# KiCad board OLD_PCB.kicad_pcb (continued)
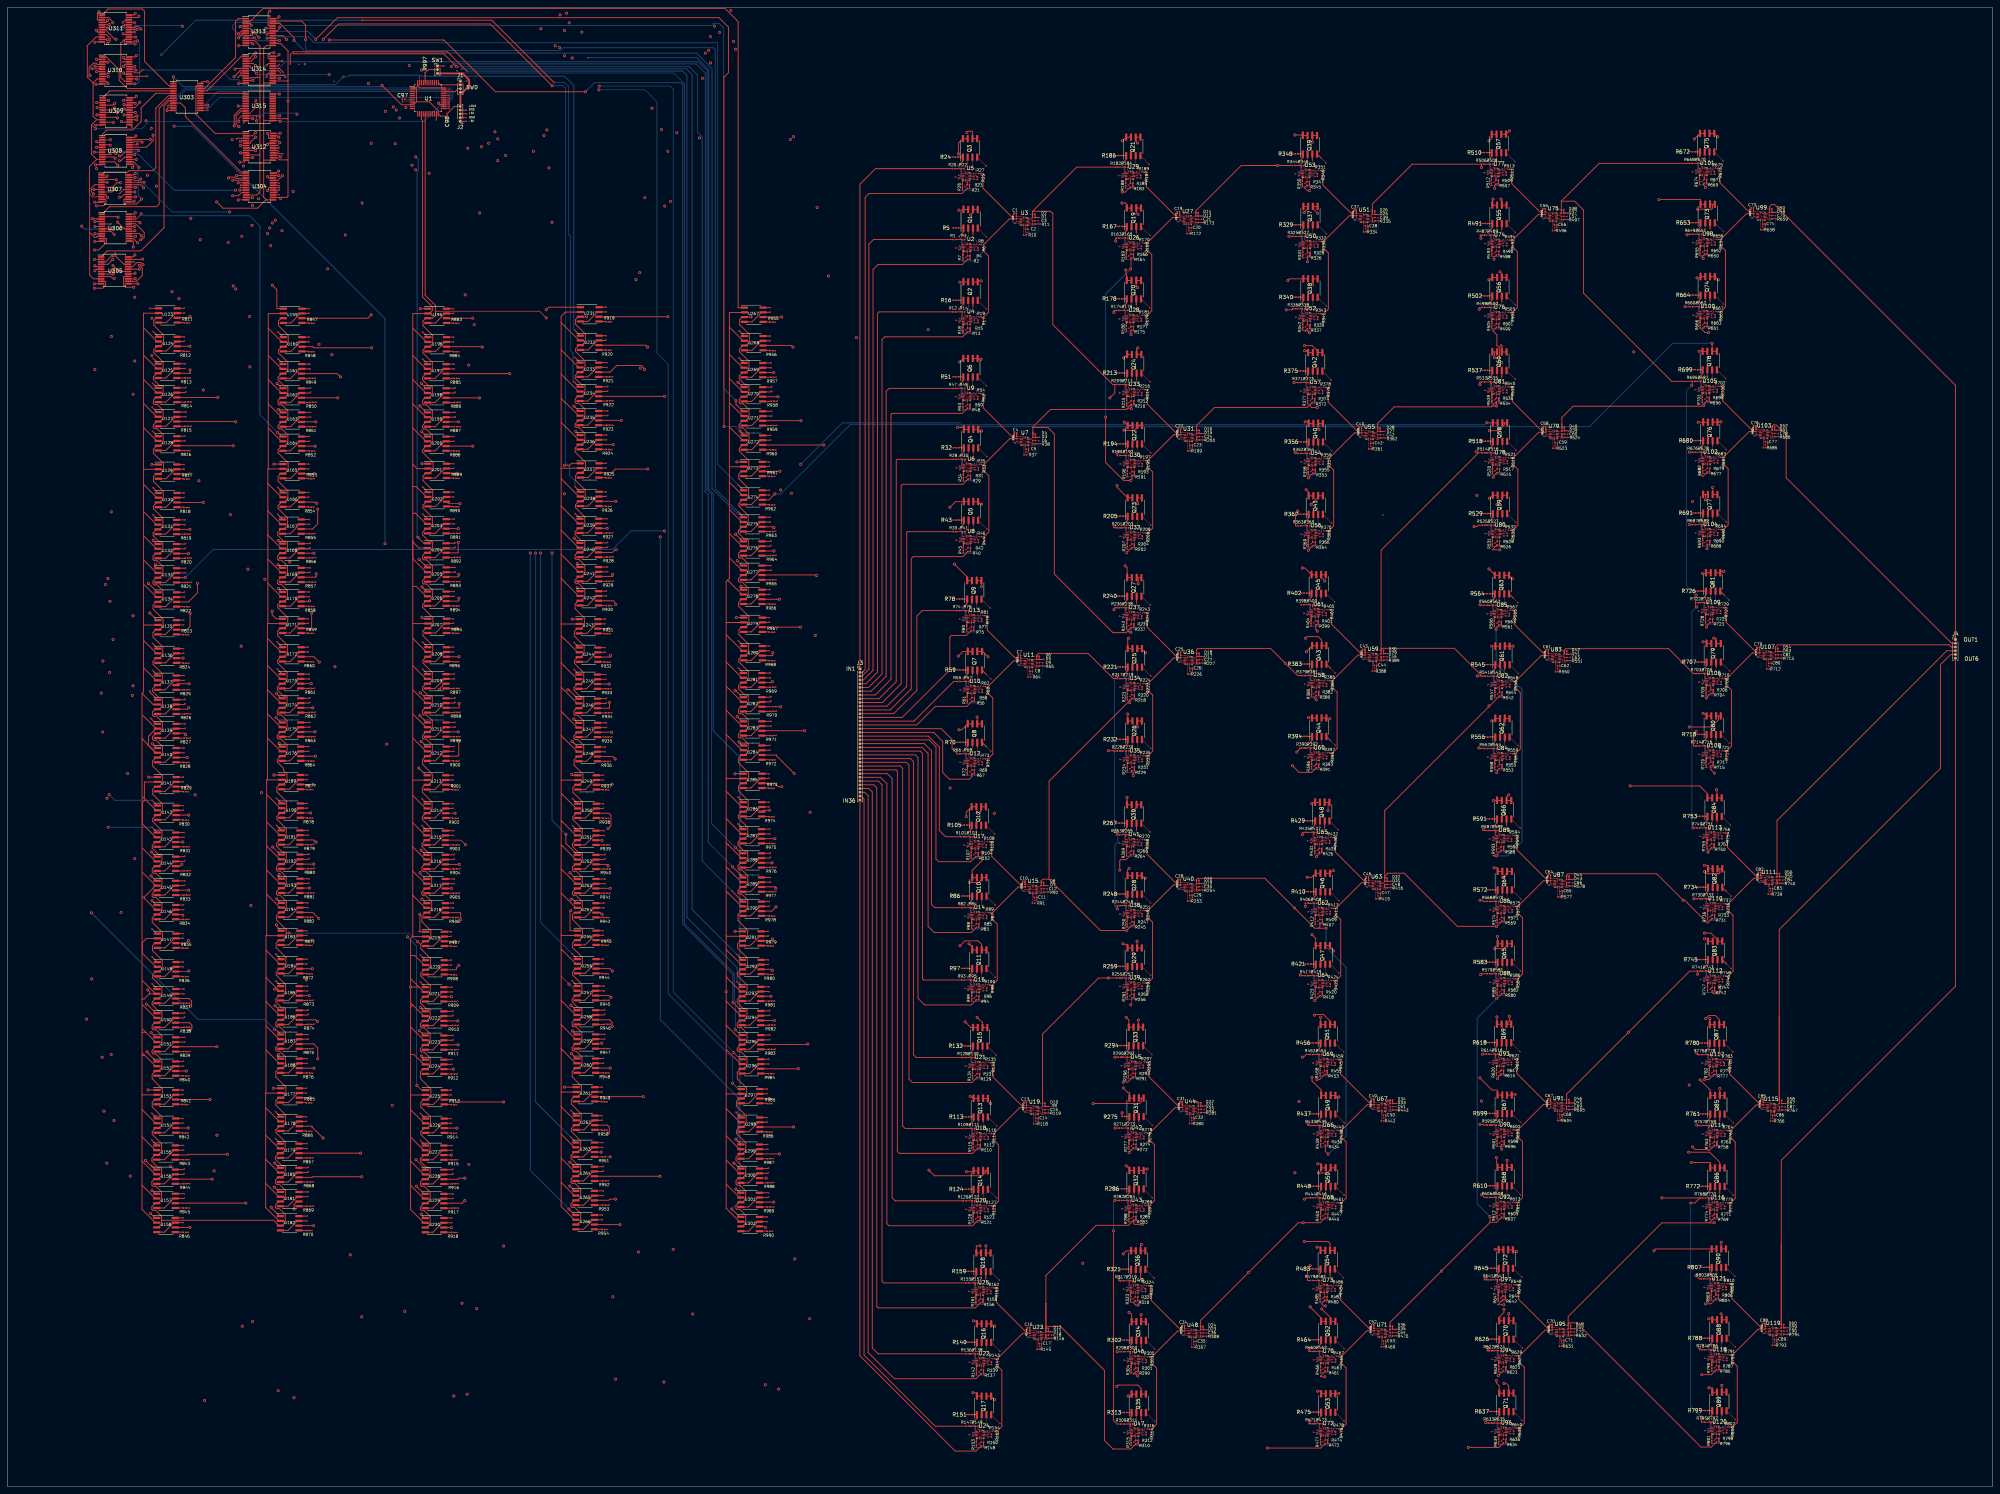
[diagram p0: board, top side]
## Routing (per net, layer and track width the routed paths; a pad name or vN(x,y) marks a point on that pad's centre or on a via; arc(x,y) is an arc through that point) (continued)
/VariableWeights/CS415: length 226.3
  Top w0.25: v2(151.25,288.55) 152.55,287.25 U235.1 ; 25.2,392.33 26.98,392.33 28.12,391.18 v2(28.12,390.92)
  In1.Cu w0.25: v2(28.12,390.92) 28.12,388.55 32.41,384.26 32.41,292.85 v2(33.56,291.7)
  In2.Cu w0.25: v2(33.56,291.7) 148.1,291.7 v2(151.25,288.55)
/VariableWeights/CS416: length 244.7
  Top w0.25: 152.88,280.81 152.67,280.81 v2(151.72,281.75) ; U311.3 24,391.68 24,393.42 v2(24.42,393.84)
  In1.Cu w0.25: v2(149.28,393.47) 149.28,390.62 149.47,390.43 149.47,383.87 148,382.4 148,381.8 148.84,380.96 148.84,284.64 v2(151.72,281.75)
  In2.Cu w0.25: v2(24.42,393.84) 24.75,394.17 60.39,394.17 61.26,393.3 70.33,393.3 70.78,393.75 149,393.75 v2(149.28,393.47)
/VariableWeights/CS421: length 242.5
  Top w0.25: U311.4 26.4,391.03 26.4,391.26 v2(26.7,391.56) ; v2(148.71,272.72) 150.06,272.72 150.61,273.26 U237.1
  In2.Cu w0.25: v2(142.42,389.3) 142.19,389.07 72.37,389.07 69.94,391.49 34.59,391.49 34.38,391.71 26.85,391.71 v2(26.7,391.56)
  In3.Cu w0.25: v2(148.71,272.72) 148.71,358.61 142.42,364.9 v2(142.42,389.3)
/VariableWeights/CS422: length 247.7
  Top w0.25: U311.5 27.11,390.38 v2(27.16,390.43) ; v2(84.3,386.49) 88.41,390.6 128.9,390.6 v2(145.4,374.1) ; U238.1 152.92,265.66 v1(151.53,267.06)
  In1.Cu w0.25: v2(84.3,386.49) 77.49,393.3 57.5,393.3 57.2,393.6 50.3,393.6 v2(46.7,390)
  Bottom w0.25: v1(151.53,267.06) 151.53,268.58 150.1,270 150.1,272.35 149,273.45 149,373.4 148.3,374.1 v2(145.4,374.1) ; v2(46.7,390) 46.5,390.2 34.1,390.2 33.9,390 33.9,389.5 33.63,389.24 28.35,389.24 v2(27.16,390.43)
/VariableWeights/CS423: length 254.8
  Top w0.25: v1(151.53,259.86) 152.85,258.53 U239.1 ; v2(26.74,389.47) 26.65,389.47 26.4,389.73 U311.6
  In2.Cu w0.25: v2(26.74,389.47) 26.74,387.7 33.8,380.64 72.48,380.64 73.12,381.29 150.55,381.29 v2(150.76,381.5)
  In3.Cu w0.25: v1(151.53,259.86) 150.79,260.59 150.79,287.87 150.52,288.14 150.52,381.25 v2(150.76,381.5)
/VariableWeights/CS424: length 260.1
  Top w0.25: v2(151.33,253.26) 152.57,252.01 U240.1 ; U311.7 26.11,389.08 28.68,386.51 v2(28.99,386.51)
  In1.Cu w0.25: v2(148.73,382.1) 152.45,378.38 152.45,254.38 v2(151.33,253.26)
  In2.Cu w0.25: v2(148.73,382.1) 73.3,382.1 72.29,381.09 34.41,381.09 v2(28.99,386.51)
/VariableWeights/CS425: length 277.5
  Top w0.25: v2(23.7,388.95) 24,388.65 24,388.43 U311.8 ; v2(152.14,246.47) 151.88,246.2 152.52,245.56 U241.1
  In2.Cu w0.25: v2(150.01,390.92) 72.84,390.92 71.81,391.94 34.78,391.94 34.39,392.33 26.43,392.33 23.7,389.61 v2(23.7,388.95)
  In3.Cu w0.25: v2(152.14,246.47) 150.34,248.27 150.34,287.68 150.06,287.95 150.06,380.19 150.01,380.25 v2(150.01,390.92)
/VariableWeights/CS426: length 277.1
  Top w0.25: U311.9 26.4,387.78 27.4,386.78 27.4,386.08 v2(26.66,385.33) ; v2(152.12,240.02) 151.93,239.83 152.65,239.11 U242.1
  In2.Cu w0.25: v2(26.82,242.5) 28.83,240.49 51.03,240.49 51.68,241.14 80.17,241.14 81.15,242.13 82.6,242.13 83.11,241.62 120.09,241.62 121.68,240.02 v2(152.12,240.02)
  In3.Cu w0.25: v2(26.82,242.5) 25.85,243.46 25.85,384.53 v2(26.66,385.33)
/VariableWeights/CS431: length 280.2
  Top w0.25: v2(35.08,392.67) 34.73,392.33 32.4,392.33 ; v2(150.78,231.66) U243.1
  In2.Cu w0.25: v2(147.54,393.01) 147.31,393.25 71.14,393.25 70.56,392.67 v2(35.08,392.67)
  In3.Cu w0.25: v2(147.54,393.01) 147.54,392.35 149.46,390.44 149.46,380.16 149.61,380 149.61,287.77 149.89,287.49 149.89,232.55 v2(150.78,231.66)
/VariableWeights/CS432: length 289.9
  Top w0.25: U244.1 152.62,224.06 v1(151.23,225.45) ; v3(30.8,391) 31.48,391.68 U311.22
  In4.Cu w0.25: v1(151.23,225.45) 151.23,228.77 149.2,230.8 149.45,231.05 149.45,389.15 147.01,391.6 146,391.6 144.3,393.3 36.8,393.3 35.15,391.65 31.45,391.65 v3(30.8,391)
/VariableWeights/CS433: length 292.1
  Top w0.25: U311.21 33.8,391.03 v2(33.9,390.92) ; v1(151.23,218.25) 152.56,216.93 U245.1
  In1.Cu w0.25: v2(148.73,388.85) 148.73,383.77 147.55,382.59 147.55,381.61 147.98,381.18 147.98,221.5 v1(151.23,218.25)
  In2.Cu w0.25: v2(148.73,388.85) 148.45,388.58 71.27,388.58 68.85,391 33.98,391 v2(33.9,390.92)
/VariableWeights/CS434: length 300.1
  Top w0.25: v2(149.58,212.78) 149.9,212.78 152.28,210.41 U246.1 ; U311.20 31.2,390.38 31.2,390.26 v2(30.9,389.96)
  In2.Cu w0.25: v2(149.58,212.78) 148.61,213.76 81.81,213.76 81.72,213.66 33.72,213.66 v2(33.53,213.86)
  In3.Cu w0.25: v2(30.9,389.96) 30.15,389.21 30.15,365.85 31.51,364.49 31.51,324.51 31.96,324.06 31.96,315.47 32.52,314.91 32.52,214.87 v2(33.53,213.86)
/VariableWeights/CS435: length 308
  Top w0.25: U311.19 34.09,389.73 34.28,389.92 34.93,389.92 v2(35.62,389.23) ; U247.1 152.22,203.96 v2(151.22,204.96)
  In1.Cu w0.25: v2(151.22,204.96) 153.35,207.1 v2(153.35,388.4)
  In2.Cu w0.25: v2(153.35,388.4) 153.07,388.12 71.08,388.12 70.58,388.62 36.23,388.62 v2(35.62,389.23)
/VariableWeights/CS436: length 307.3
  Top w0.25: v2(34.59,389.17) 32.5,389.17 U311.18 ; 151.69,198.17 152.35,197.51 U248.1 ; 151.69,198.17 151.57,198.17 v2(150.75,198.98) ; 151.69,198.17 151.03,198.83
  In2.Cu w0.25: v2(34.59,389.17) 39.71,384.04 69.92,384.04 70.43,384.55 146,384.55 v2(146.23,384.79)
  In3.Cu w0.25: v2(146.23,384.79) 146.23,382.74 149.16,379.82 149.16,287.58 149.43,287.31 149.43,213.96 150.31,213.08 150.31,199.43 v2(150.75,198.98)
/VariableWeights/CS441: length 314.7
  Top w0.25: v2(150.66,190.2) 150.9,189.96 U249.1 ; U311.17 v2(33.88,388.43)
  In1.Cu w0.25: v2(147.39,384.28) 147.1,383.99 147.1,381.43 147.53,381 147.53,193.33 v2(150.66,190.2)
  In2.Cu w0.25: v2(147.39,384.28) 147.18,384.06 71.63,384.06 71.59,384.1 70.61,384.1 70.1,383.59 38.76,383.59 33.93,388.43 v2(33.88,388.43)
/VariableWeights/CS442: length 315.9
  Top w0.25: v1(150.83,183.75) 152.22,182.36 U250.1 ; U311.16 31.11,387.78 v2(30.91,387.98)
  In2.Cu w0.25: v2(50.1,184.74) 50.37,184.47 150.11,184.47 v1(150.83,183.75)
  In3.Cu w0.25: v2(30.91,387.98) 32.41,386.48 32.41,324.88 32.86,324.43 32.86,319.93 34.7,318.09 34.7,232.11 50.1,216.71 v2(50.1,184.74)
/VariableWeights/CS443: length 271.7
  Top w0.25: U251.1 152.16,175.23 v1(150.83,176.55) ; v2(66.24,361.58) 65.39,360.73 U312.2
  In2.Cu w0.25: v2(144.01,362.28) 143.71,362.58 69.49,362.58 68.49,361.58 v2(66.24,361.58)
  In3.Cu w0.25: v2(144.01,362.28) 146.11,360.18 146.11,181.27 v1(150.83,176.55)
/VariableWeights/CS444: length 278.9
  Top w0.25: U252.1 149.1,171.76 v2(149.1,174.2) ; U312.3 61.27,360.08 v1(61.1,359.9)
  In5.Cu w0.25: v2(145.39,249.3) 142.2,252.49 142.2,355.85 135.5,362.55 63.75,362.55 v1(61.1,359.9)
  Bottom w0.25: v2(149.1,174.2) 145.39,177.91 v2(145.39,249.3)
/VariableWeights/CS445: length 283.2
  Top w0.25: U312.4 62.41,359.43 v2(62.22,359.24) ; U253.1 151.83,162.26 150.19,163.89 v2(150.19,163.94)
  In2.Cu w0.25: v2(144.57,352.16) 131.68,352.16 130.25,353.59 63.71,353.59 61.45,355.85 61.45,358.46 v2(62.22,359.24)
  In3.Cu w0.25: v2(150.19,163.94) 144.57,169.56 v2(144.57,352.16)
/VariableWeights/CS446: length 281.9
  Top w0.25: U312.5 64.9,358.78 64.9,359.06 v2(66.23,360.39) ; U254.1 151.95,155.81 150.72,157.04 v2(150.52,156.83)
  In2.Cu w0.25: v2(66.23,360.39) 66.98,359.64 98.89,359.64 99.18,359.92 v2(130.88,359.92)
  In3.Cu w0.25: v2(130.88,359.92) 143.11,347.69 143.11,164.24 v2(150.52,156.83)
/VariableWeights/CS451: length 299.5
  Top w0.25: 152.18,148.46 150.19,148.46 150.19,153.6 v2(150.39,153.8) ; v2(62.18,358.12) 63.7,358.12
  In1.Cu w0.25: v2(62.18,358.12) 63.73,356.58 63.73,337.57 63.63,337.48 63.63,336.12 63.73,336.03 63.73,313.23 63.47,312.97 63.47,295.2 64.98,293.69 v2(64.98,155.17)
  In2.Cu w0.25: v2(150.39,153.8) 150.17,153.57 111.83,153.57 110.23,155.17 v2(64.98,155.17)
/VariableWeights/CS452: length 300.1
  Top w0.25: U256.1 152.15,140.86 v1(150.75,142.25) ; U312.7 65.68,357.48 v1(66.2,358)
  In5.Cu w0.25: v1(66.2,358) 67.84,359.64 72.74,359.64 73.74,360.65 135.95,360.65 139.6,357 139.6,252 v2(142.3,249.3)
  Bottom w0.25: v2(142.3,249.3) 142.3,150.7 v1(150.75,142.25)
/VariableWeights/CS453: length 302.7
  Top w0.25: 152.08,133.66 152.08,133.73 v1(150.75,135.05) ; v2(66.26,356.78) 66.21,356.83 U312.8
  In1.Cu w0.25: v2(66.26,356.78) 66.26,343.38 66.44,343.2 66.44,148.65 v2(79.78,135.31)
  In2.Cu w0.25: v1(150.75,135.05) 150.49,135.31 v2(79.78,135.31)
/VariableWeights/CS454: length 306.9
  Top w0.25: U312.9 v2(62.2,356.18) ; v2(150.41,128.48) 150.52,128.48 151.8,127.21 U258.1
  In2.Cu w0.25: v2(130.9,354.1) 64.28,354.1 v2(62.2,356.18)
  In3.Cu w0.25: v2(130.9,354.1) 130.9,147.99 v2(150.41,128.48)
/VariableWeights/CS455: length 316.6
  Top w0.25: v2(72.44,360.37) 72.1,360.7 72.1,360.73 U312.23 ; v2(150.86,121.63) 151.09,121.4 151.1,121.4 151.75,120.75 U259.1
  In1.Cu w0.25: v2(150.86,121.63) 147.08,125.42 147.08,356.99 v2(143.25,360.82)
  In2.Cu w0.25: v2(72.44,360.37) 72.44,360.37 102.1,360.37 102.54,360.82 v2(143.25,360.82)
/VariableWeights/CS456: length 320.6
  Top w0.25: U312.22 69.7,360.08 69.7,361.08 v2(69.39,361.39) ; U260.1 151.87,114.31 v2(150.55,115.63)
  In2.Cu w0.25: v2(69.39,361.39) 70.13,362.13 129.85,362.13 v2(130.15,361.83)
  In3.Cu w0.25: v2(150.55,115.63) 130.15,136.02 v2(130.15,361.83)
/VariableWeights/CS461: length 327.5
  Top w0.25: v2(72.69,358.9) 72.17,359.43 U312.21 ; v2(148.71,106.66) 151.86,106.66
  In1.Cu w0.25: v2(148.71,106.66) 146.62,108.74 146.62,337.47 140.43,343.67 v2(140.43,356.6)
  In2.Cu w0.25: v2(140.43,356.6) 124.94,356.6 123.29,358.25 113.17,358.25 112.82,357.9 73.69,357.9 v2(72.69,358.9)
/VariableWeights/CS462: length 322.3
  Top w0.25: v1(150.43,100.45) 151.83,99.06 U262.1 ; v2(69.41,358.41) 69.7,358.69 69.7,358.78 U312.20
  In1.Cu w0.25: v2(69.41,358.41) 69.41,351.85 73.23,348.03 73.23,347.73 102.74,318.22 v2(102.74,101.81)
  In2.Cu w0.25: v2(102.74,101.81) 111.24,101.81 112.36,100.69 150.19,100.69 v1(150.43,100.45)
/VariableWeights/CS463: length 336.7
  Top w0.25: 70.9,358.12 72.23,358.12 v1(72.3,358.2) ; U263.1 151.75,91.93 v1(150.43,93.25)
  In5.Cu w0.25: v1(72.3,358.2) 72.32,358.18 95.52,358.18 97.04,359.7 130.08,359.7 138.6,351.18 138.6,251.7 v2(141,249.3)
  Bottom w0.25: v1(150.43,93.25) 141,102.68 v2(141,249.3)
/VariableWeights/CS464: length 336.5
  Top w0.25: 72.38,357.63 72.22,357.48 U312.18 ; U264.1 151.47,85.41 150.23,86.65 150.18,86.6 v2(150.15,86.6)
  In1.Cu w0.25: v2(150.15,86.6) 125.29,111.46 125.29,309.91 125.38,310 125.38,325.39 122.91,327.86 v2(122.91,357.44)
  In2.Cu w0.25: v2(122.91,357.44) 72.57,357.44 72.38,357.63
  vias: v4(72.4,357.5)
/VariableWeights/CS465: length 347.8
  Top w0.25: 151.75,78.96 151.43,78.96 v2(150.13,80.25) ; v1(72.4,356.5) 72.08,356.83 U312.17
  In1.Cu w0.25: v2(150.13,80.25) 151,81.12 151,94.41 132.99,112.43 v2(132.99,355.47)
  In2.Cu w0.25: 72.4,356.46 119.35,356.46 120.34,355.47 v2(132.99,355.47)
/VariableWeights/CS466: length 352.7
  Top w0.25: U312.16 71.98,356.18 72.18,355.98 73.46,355.98 v1(73.5,355.93) ; U266.1 151.5,72.5 v2(149.9,74.1)
  In5.Cu w0.25: v2(139.6,249.3) 137.8,251.1 137.8,349.63 131.5,355.93 v1(73.5,355.93)
  Bottom w0.25: v2(139.6,249.3) 139.6,84.4 v2(149.9,74.1)
/VariableWeights/CS511: length 212.5
  Top w0.25: U313.2 64.88,391.38 68.25,394.75 191.55,394.75 195.09,391.21 195.09,314.81 195.1,314.8 196.72,314.8 U267.1
/VariableWeights/CS512: length 214.2
  Top w0.25: U313.3 64.8,390.73 64.8,390.53 v2(65.08,390.25) ; U268.1 196.75,307.25 v1(195.35,308.65)
  In1.Cu w0.25: v2(65.08,390.25) 64.5,389.67 64.5,387.46 64.65,387.31 64.65,337.21 64.54,337.1 64.54,336.5 64.65,336.39 v2(64.65,312.48)
  In2.Cu w0.25: v1(195.35,308.65) 194.46,309.54 120.82,309.54 118.18,312.18 64.95,312.18 v2(64.65,312.48)
/VariableWeights/CS513: length 228.6
  Top w0.25: U269.1 196.68,300.12 v1(195.35,301.45) ; v2(62.08,389.87) 62.29,390.08 U313.4
  In1.Cu w0.25: v2(62.08,389.87) 62.08,388.56 64.18,386.47 64.18,337.38 64.09,337.29 64.09,336.31 64.18,336.22 64.18,313.04 63.92,312.78 63.92,299.8 v2(64.71,299.01)
  In2.Cu w0.25: v2(64.71,299.01) 120.05,299.01 120.31,298.75 134.12,298.75 135.31,297.57 191.47,297.57 v1(195.35,301.45)
/VariableWeights/CS514: length 224.9
  Top w0.25: v2(195.05,294.89) 195.11,294.89 196.4,293.61 U270.1 ; v2(67.14,387.02) 64.8,389.35 64.8,389.43 63.6,389.43
  In2.Cu w0.25: v2(194.36,383.87) 192.72,385.52 145.93,385.52 145.42,385.01 69.15,385.01 v2(67.14,387.02)
  In3.Cu w0.25: v2(195.05,294.89) 194.36,295.58 v2(194.36,383.87)
/VariableWeights/CS515: length 242.6
  Top w0.25: U271.1 196.34,287.16 194.5,289 v2(194.5,290) ; v2(61.62,387.89) 62.51,388.78 U313.6
  Bottom w0.25: v2(194.5,290) 191.2,293.3 191.2,389.5 189.94,390.76 188.45,390.76 187.89,390.19 73.3,390.19 72.51,390.98 60.88,390.98 60.1,390.2 60.1,389.42 v2(61.62,387.89)
/VariableWeights/CS516: length 252.1
  Top w0.25: v2(191.3,283.1) 191.3,376.4 192.5,377.6 192.5,389.77 189.99,392.29 88.09,392.29 v2(82.3,386.49) ; 63.6,388.12 62.5,388.12 62.4,388.03 62.4,387.59 v2(61.71,386.9) ; U272.1 196.68,280.83 v2(195.6,281.9)
  Bottom w0.25: v2(82.3,386.49) 80.18,388.62 63.43,388.62 v2(61.71,386.9) ; v2(195.6,281.9) 194.4,283.1 v2(191.3,283.1)
/VariableWeights/CS521: length 246.3
  Top w0.25: U313.8 64.94,387.48 v2(65.22,387.76) ; v2(194.72,273.66) U273.1
  In2.Cu w0.25: v2(193.85,385.97) 145.74,385.97 145.23,385.46 69.59,385.46 68.13,386.92 68.13,387.05 67.42,387.76 v2(65.22,387.76)
  In3.Cu w0.25: v2(193.85,385.97) 193.64,385.76 193.64,274.74 v2(194.72,273.66)
/VariableWeights/CS522: length 249.9
  Top w0.25: v2(65.9,386.9) 65.83,386.83 U313.9 ; U274.1 196.55,266.06 v1(195.15,267.45)
  Bottom w0.25: v2(65.9,386.9) 66.7,386.1 71.3,386.1 72.4,387.2 80.3,387.2 81.9,385.6 189.5,385.6 189.6,385.5 189.6,273 v1(195.15,267.45)
/VariableWeights/CS523: length 253.7
  Top w0.25: U313.23 78.53,391.38 79.6,390.3 v2(79.6,386.4) ; v1(195.15,260.25) 196.47,258.93 U275.1
  Bottom w0.25: v1(195.15,260.25) 189,266.4 189,383.7 188.43,384.27 148.41,384.27 147.64,383.5 80,383.5 79.6,383.9 v2(79.6,386.4)
/VariableWeights/CS524: length 254.5
  Top w0.25: U313.22 72.76,390.73 76.5,386.99 v2(76.5,386.21) ; U276.1 196.3,252.41 v2(194.4,254.3)
  Bottom w0.25: v2(76.5,386.21) 79.89,382.83 183.97,382.83 188.1,378.7 188.1,266.56 194.93,259.73 195.37,259.73 195.68,260.03 195.68,255.58 v2(194.4,254.3)
/VariableWeights/CS525: length 278.3
  Top w0.25: v2(194.85,247.25) 196.15,245.96 U277.1 ; v2(70.03,394.03) 69.6,393.6 69.6,390.08 U313.21
  In1.Cu w0.25: v2(194.85,247.25) 193.54,248.56 193.54,383.02 193.12,383.44 v2(193.12,394.21)
  In2.Cu w0.25: v2(70.03,394.03) 70.2,394.21 v2(193.12,394.21)
/VariableWeights/CS526: length 279.3
  Top w0.25: 70.8,389.43 v2(68.97,389.43) ; v2(195.87,240.42) 195.61,240.17 196.27,239.51 U278.1
  In1.Cu w0.25: v2(68.97,389.43) 68.55,389 68.55,345.93 68.7,345.78 68.7,336.76 68.25,336.31 68.25,242.72 v2(68.7,242.27)
  In2.Cu w0.25: v2(68.7,242.27) 69.01,242.58 82.79,242.58 83.01,242.36 193.93,242.36 v2(195.87,240.42)
/VariableWeights/CS531: length 281
  Top w0.25: U313.19 72,388.78 72.67,389.44 v2(72.67,389.8) ; v2(194.63,232.06) U279.1
  In1.Cu w0.25: v2(194.63,232.06) 193.01,233.67 193.01,381.47 188.75,385.73 v2(188.75,390.03)
  In2.Cu w0.25: v2(72.67,389.8) 72.9,390.03 v2(188.75,390.03)
/VariableWeights/CS532: length 289.3
  Top w0.25: 70.8,388.12 69.6,388.12 69.36,387.89 v2(69.31,387.89) ; U280.1 196.55,224.46 v1(195.15,225.85)
  In2.Cu w0.25: v2(69.31,387.89) 69.53,387.67 186,387.67 186.64,388.31 v2(190.14,388.31)
  In3.Cu w0.25: v1(195.15,225.85) 190.14,230.86 v2(190.14,388.31)
/VariableWeights/CS533: length 290.4
  Top w0.25: v2(74.51,386.48) 73.51,387.48 U313.17 ; U281.1 196.47,217.33 v1(195.15,218.65)
  In1.Cu w0.25: v1(87.2,375.25) 84.85,375.25 83.7,376.4 79.9,376.4 74.51,381.79 v2(74.51,386.48)
  In2.Cu w0.25: v2(87.44,218.96) 194.84,218.96 v1(195.15,218.65)
  In3.Cu w0.25: v2(87.44,218.96) 87.44,373.55 87.2,373.79 v1(87.2,375.25)
/VariableWeights/CS534: length 300.3
  Top w0.25: U313.16 v2(69.29,386.83) ; U282.1 196.19,210.81 194.39,212.61 v2(194.29,212.61)
  In2.Cu w0.25: v2(187.67,387.22) 69.68,387.22 v2(69.29,386.83)
  In3.Cu w0.25: v2(187.67,387.22) 189.5,385.39 189.5,217.4 v2(194.29,212.61)
/VariableWeights/CS535: length 308
  Top w0.25: v2(66.27,382.87) 66.16,382.87 64.8,381.51 64.8,381.33 U314.2 ; U283.1 196.15,204.36 v2(194.85,205.65)
  In1.Cu w0.25: v2(194.85,205.65) 192.09,208.41 192.09,378.69 v2(187.23,383.55)
  In2.Cu w0.25: v2(187.23,383.55) 145.93,383.55 145.87,383.61 71.44,383.61 71.4,383.65 70.8,383.65 70.02,382.87 v2(66.27,382.87)
/VariableWeights/CS536: length 297.5
  Top w0.25: U314.3 65.04,380.68 v2(66.23,381.86) ; U284.1 196.27,197.91 195.61,198.57 v2(195.33,198.84)
  In1.Cu w0.25: v2(66.23,381.86) 67.8,380.3 67.8,346.04 68.25,345.59 68.25,336.94 67.8,336.49 67.8,231.69 v2(101.23,198.26)
  In2.Cu w0.25: v2(101.23,198.26) 194.75,198.26 v2(195.33,198.84)
/VariableWeights/CS541: length 320
  Top w0.25: U314.4 65.67,380.03 v2(66.23,379.46) ; U285.1 v2(194.25,190.36)
  In2.Cu w0.25: v2(187.7,380.2) 111.44,380.2 109.97,378.73 67.47,378.73 66.74,379.46 v2(66.23,379.46)
  In3.Cu w0.25: v2(187.7,380.2) 187.7,196.91 v2(194.25,190.36)
/VariableWeights/CS542: length 326.6
  Top w0.25: U286.1 196.42,182.76 v1(195.03,184.16) ; U314.5 64.8,379.38 64.8,379.1 v2(66.48,377.42)
  In1.Cu w0.25: v2(66.48,377.42) 67.2,376.7 67.2,345.77 67.8,345.18 67.8,337.13 67.35,336.68 67.35,185.76 v2(67.8,185.31)
  In2.Cu w0.25: v1(195.03,184.16) 193.87,185.31 v2(67.8,185.31)
/VariableWeights/CS543: length 333.9
  Top w0.25: v1(195.03,176.96) 196.35,175.63 U287.1 ; U314.6 60.95,378.73 v2(60.77,378.55)
  In1.Cu w0.25: v2(185.6,376.09) 185.6,186.38 v1(195.03,176.96)
  In2.Cu w0.25: v2(60.77,378.55) 61.16,378.15 66.78,378.15 67.1,377.83 71.9,377.83 73.88,375.85 110.26,375.85 110.51,376.09 v2(185.6,376.09)
/VariableWeights/CS544: length 346
  Top w0.25: U288.1 195.89,169.11 v2(194.4,170.6) ; v2(60.5,376.5) 62.08,378.08 U314.7
  Bottom w0.25: v2(60.5,376.5) 62.2,378.2 71.91,378.2 74.21,380.5 184.5,380.5 186.8,378.2 186.8,266.2 188,265 188,177 v2(194.4,170.6)
/VariableWeights/CS545: length 347.4
  Top w0.25: U314.8 62.43,377.43 ; v2(193.6,165.5) 196.35,162.75 U289.1
  In1.Cu w0.25: v2(118.5,379.2) 117.48,380.22 79.75,380.22 v4(79.4,379.88)
  In3.Cu w0.25: 62.24,377.24 63.15,378.15 77.67,378.15 v4(79.4,379.88)
  Bottom w0.25: v2(118.5,379.2) 119.22,379.93 183.88,379.93 186.33,377.47 186.33,266.13 186.1,265.9 187.1,264.9 187.1,172 v2(193.6,165.5)
  vias: v4(62.4,377.4)
/VariableWeights/CS546: length 356.4
  Top w0.25: v1(76.5,382.63) 116.47,382.63 v2(119.9,379.2) ; v1(61.53,376.33) 61.98,376.78 U314.9 ; U290.1 196.29,156.21 v1(193.5,159)
  In3.Cu w0.25: v1(61.53,376.33) 61.53,377.42 65.25,381.14 72.94,381.14 74.43,382.63 v1(76.5,382.63)
  Bottom w0.25: v2(119.9,379.2) 182,379.2 184.2,377 184.2,361.74 185.5,360.44 185.5,167 v1(193.5,159)
/VariableWeights/CS551: length 359.3
  Top w0.25: v2(71.1,382.92) 70.19,382.92 69.6,382.34 69.6,381.33 U314.23 ; v2(194.25,148.26) U291.1
  In2.Cu w0.25: v2(186.36,382.81) 186.3,382.87 145.97,382.87 145.68,383.16 71.34,383.16 v2(71.1,382.92)
  In3.Cu w0.25: v2(194.25,148.26) 186.36,156.15 v2(186.36,382.81)
/VariableWeights/CS552: length 356.5
  Top w0.25: v1(194.83,142.06) 196.22,140.66 U292.1 ; U314.22 73.39,380.68 v4(73.41,380.65)
  In3.Cu w0.25: v4(73.41,380.65) 74.45,381.7 118.43,381.7 121.3,378.83 v1(121.3,378.6)
  Bottom w0.25: v1(194.83,142.06) 182.8,154.08 182.8,377.1 181.3,378.6 v1(121.3,378.6)
/VariableWeights/CS553: length 369.4
  Top w0.25: U314.21 69.66,380.03 v4(69.2,379.56) ; U293.1 196.15,133.53 v1(194.83,134.86) ; v1(122.6,378) 122.6,378.04 117.48,383.16 76.26,383.16 75.5,382.4 v1(75.5,379.9)
  In3.Cu w0.25: v4(69.2,379.56) 69.49,379.28 74.88,379.28 v1(75.5,379.9)
  Bottom w0.25: v1(122.6,378) 180.3,378 181.4,376.9 181.4,152 194.83,138.58 v1(194.83,134.86)
/VariableWeights/CS554: length 374
  Top w0.25: U314.20 72.18,379.38 v1(72.6,379.8) ; v2(154.3,372.5) 130.3,372.5 116.48,386.32 v2(85.9,386.32) ; U294.1 195.99,127.01 v2(193.7,129.3)
  In1.Cu w0.25: v1(77.9,379.8) 83.87,385.77 85.34,385.77 v2(85.9,386.32)
  In3.Cu w0.25: v1(72.6,379.8) 74.66,379.8 75.36,380.5 77.2,380.5 v1(77.9,379.8)
  Bottom w0.25: v2(154.3,372.5) 156.7,374.9 179.9,374.9 180.3,374.5 180.3,150.2 193.7,136.8 v2(193.7,129.3)
/VariableWeights/CS555: length 374.6
  Top w0.2: v2(194.3,122.01) 195.75,120.56 U295.1
  Top w0.25: U314.19 72.6,378.73 v1(73.7,377.62)
  In3.Cu w0.2: v1(73.7,377.62) 78.32,377.62 80.9,380.2 116.41,380.2 118.51,378.1 v1(120,378.1)
  Bottom w0.2: v1(120,378.1) 120.6,377.5 177.9,377.5 180.72,374.68 180.72,150.38 194.12,136.98 194.12,129.86 194.4,129.59 194.4,122.11 v2(194.3,122.01)
/VariableWeights/CS556: length 376.6
  Top w0.2: v2(193.9,115.9) 195.69,114.11 U296.1
  Top w0.25: U314.18 72.43,378.08 v1(72.9,377.6)
  In5.Cu w0.2: v2(158,374) 155.33,376.68 114.5,376.68 114.08,377.1 86.89,377.1 86.19,376.4 85.61,376.4 84.89,377.12 73.38,377.12 v1(72.9,377.6)
  Bottom w0.2: v2(193.9,115.9) 177.74,132.06 177.74,373.26 177,374 v2(158,374)
/VariableWeights/CS561: length 383.1
  Top w0.2: v2(193.6,107.7) 195.15,106.16 195.91,106.16
  Top w0.25: v4(69.2,376.5) 69.2,376.95 69.68,377.43 U314.17
  In5.Cu w0.2: v4(69.2,376.5) 69.5,376.8 72.89,376.8 73.89,375.8 110.4,375.8 110.66,376.06 154.84,376.06 v2(157.89,373.01)
  Bottom w0.2: v2(193.6,107.7) 193.6,114.4 176.4,131.6 176.4,299.77 173.4,302.77 173.4,369.8 170.19,373.01 v2(157.89,373.01)
/VariableWeights/CS562: length 390.5
  Top w0.25: U298.1 195.89,98.56 v1(194.49,99.95) ; U314.16 71.93,376.78 71.98,376.83 73.88,376.83 v4(74.2,376.5)
  In1.Cu w0.25: v1(194.49,99.95) 177.04,117.4 v2(177.04,343.23) ; v4(74.2,376.5) 76.01,376.5 76.29,376.21 v2(76.29,345.87)
  In2.Cu w0.25: v2(177.04,343.23) 169.91,343.23 167.27,345.87 v2(76.29,345.87)
/VariableWeights/CS563: length 401.1
  Top w0.2: v2(66.3,370.1) 66.3,368.35 64.68,366.73 U315.9
  Top w0.25: v2(194.49,92.75) 195.81,91.43 U299.1
  In3.Cu w0.25: v2(172.1,368.1) 172.6,368.1 173.9,366.8 173.89,366.79 173.89,254.02 v2(174.3,253.6)
  In5.Cu w0.25: v2(66.3,370.1) 68.83,372.62 72.9,372.62 73.43,372.1 120.1,372.1 124.1,368.1 v2(172.1,368.1)
  Bottom w0.25: v2(174.3,253.6) 174.3,124.7 195.02,103.99 195.02,93.28 v2(194.49,92.75)
/VariableWeights/CS564: length 408.1
  Top w0.25: v2(61.8,363.16) 61.03,363.93 61.03,366 62.4,367.38 U315.8 ; U300.1 195.53,84.91 194.07,86.37 v2(193.92,86.37)
  In2.Cu w0.25: v2(178.69,361.55) 174.22,361.55 172.28,363.49 62.12,363.49 v2(61.8,363.16)
  In3.Cu w0.25: v2(178.69,361.55) 178.69,101.59 v2(193.92,86.37)
/VariableWeights/CS565: length 419.4
  Top w0.25: U315.7 62.33,368.03 60.52,366.22 v2(60.52,363.41) ; v2(194.47,79.47) 195.49,78.46 195.81,78.46
  In2.Cu w0.25: v2(60.52,363.41) 61.52,362.41 68.68,362.41 69.31,363.03 144.91,363.03 147.77,360.17 v2(184.74,360.17)
  In3.Cu w0.25: v2(184.74,360.17) 184.74,96.73 194.65,86.82 194.65,79.66 v2(194.47,79.47)
/VariableWeights/CS566: length 448
  Top w0.2: v2(61.6,368.7) 61.62,368.68 U315.6
  Top w0.25: v2(193.4,74.1) 195.5,72 U302.1
  In5.Cu w0.25: v1(154.9,381.6) 153.6,382.9 79.4,382.9 74.65,378.15 69.85,378.15 61.6,369.9 v2(61.6,368.7)
  Bottom w0.25: v1(154.9,381.6) 184.04,381.6 187.25,378.39 187.25,266.39 188.45,265.19 188.45,201.8 195.55,194.7 195.55,76.25 v2(193.4,74.1)
/VariableWeights/WeightCtrlChipSel/MUX0: length 28.5
  Top w0.25: U303.9 46.23,369.48 47.5,368.2 47.5,365.88 62.6,350.78 U304.1
/VariableWeights/WeightCtrlChipSel/MUX1: length 55.7
  Top w0.25: U305.1 26.62,330 35.6,330 41.8,336.2 41.8,368.75 43.17,370.12 U303.8
/VariableWeights/WeightCtrlChipSel/MUX2: length 46.9
  Top w0.25: U303.7 43.17,370.78 40.5,368.1 40.5,342.5 39.8,341.8 27.23,341.8 U306.1
/VariableWeights/WeightCtrlChipSel/MUX3: length 37.3
  Top w0.25: U303.6 42.92,371.43 39.6,368.1 39.6,352.2 38.82,351.43 32.45,351.43 32.03,351 25.83,351 U307.1
/VariableWeights/WeightCtrlChipSel/MUX4: length 26.5
  Top w0.25: U303.5 39.57,372.08 35.7,368.2 35.7,364.58 33.42,362.3 26.5,362.3 25.3,361.1 U308.1
/VariableWeights/WeightCtrlChipSel/MUX5: length 19.7
  Top w0.25: U309.1 27.25,372.73 U303.4
/VariableWeights/WeightCtrlChipSel/MUX6: length 24.1
  Top w0.25: U310.1 26.4,381.78 29.8,378.38 29.8,375.58 32,373.38 U303.3
/VariableWeights/WeightCtrlChipSel/MUX7: length 36.1
  Top w0.25: U311.1 26.82,394.6 36,394.6 36.6,394 36.6,380.6 43.17,374.03 U303.2
/VariableWeights/WeightCtrlChipSel/MUX8: length 24.2
  Top w0.25: U303.23 50.38,374.03 50.3,373.95 50.3,366.5 55.43,361.38 U312.1
/VariableWeights/WeightCtrlChipSel/MUX9: length 25.5
  Top w0.25: U313.1 61.62,392.03 60.9,391.3 60.9,381.65 52.62,373.38 U303.22
/VariableWeights/WeightCtrlChipSel/MUX10: length 15.9
  Top w0.25: U314.1 62.5,381.98 53.25,372.73 U303.21
/VariableWeights/WeightCtrlChipSel/MUX11: length 12.2
  Top w0.25: U303.20 63.45,372.08 U315.1
/W111: length 248.4
  Top w0.25: v2(253.92,355.9) 253.92,358.81 255.08,359.96 255.09,359.96 ; v2(48.71,312.47) 48.71,312.14 48.69,312.12 U123.6 ; 255.09,359.96 256.35,359.96 256.36,359.98 ; 255.09,359.96 Q3.8
  In2.Cu w0.25: v2(48.95,338.68) 68.67,338.68 75.57,345.57 75.57,346.17 75.99,346.6 244.62,346.6 v2(253.92,355.9)
  In3.Cu w0.25: v2(48.71,312.47) 48.95,312.72 v2(48.95,338.68)
